# KiCad board pcb-hotswap.kicad_pcb (continued)
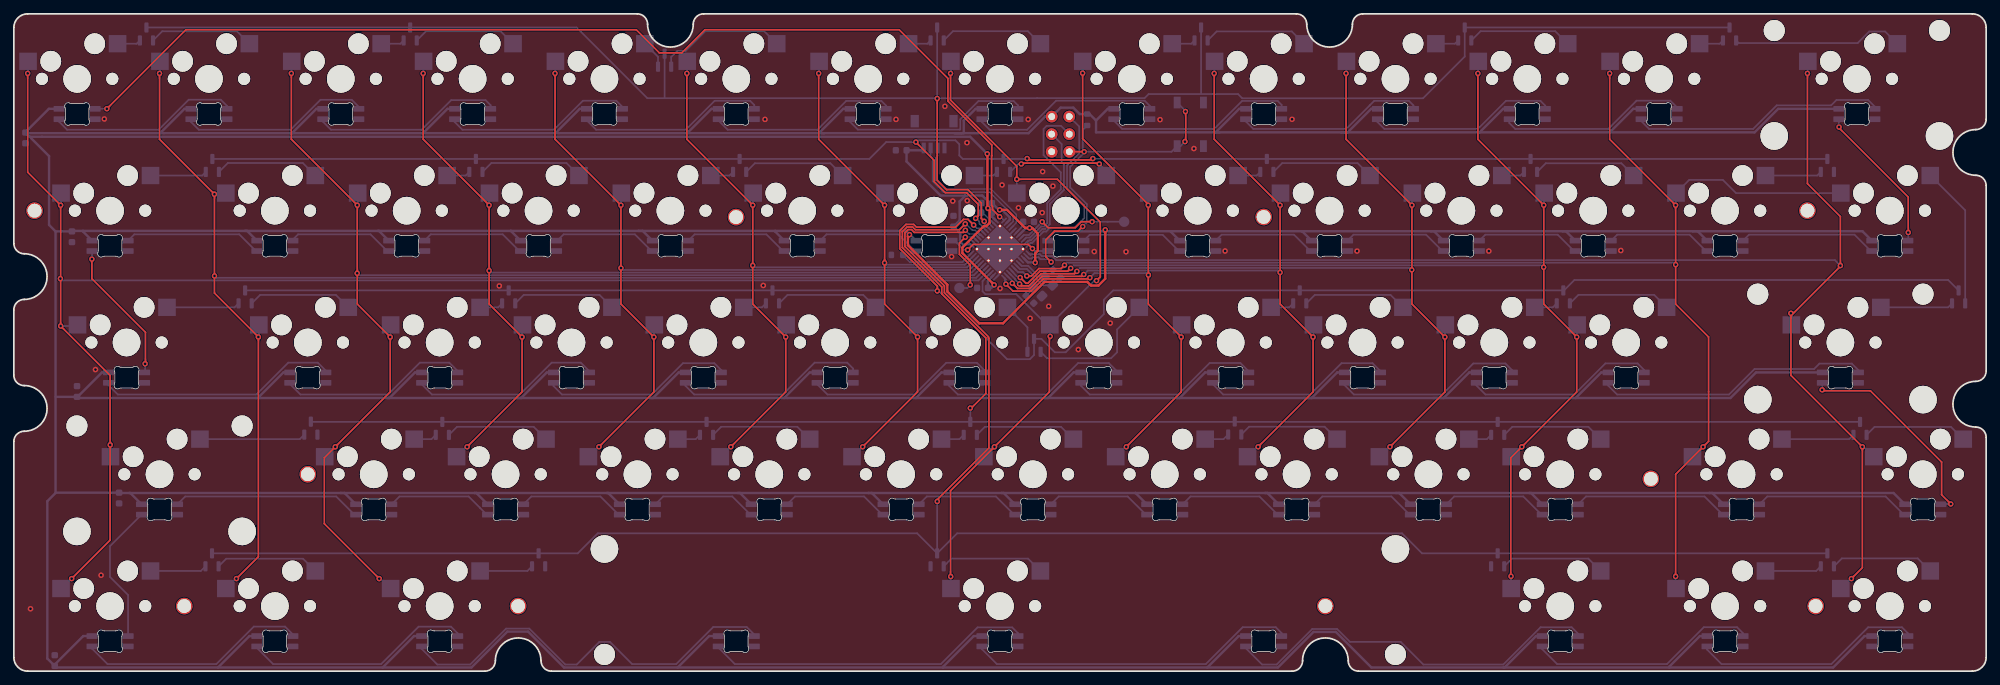
[diagram p0: board, top side]
## Routing (per net, layer and track width the routed paths; a pad name or vN(x,y) marks a point on that pad's centre or on a via; arc(x,y) is an arc through that point)
GND: length 23.9
  Bottom w0.25: 139.77,66.2 140.06,66.2 141.49,64.77 U1.43 142.49,63.82 U1.45 ; U1.45 143.91,61 U1.15 ; U1.45 139.67,61 U1.35 ; U1.45 142.32,60.82 142.32,57.28 U1.23 ; U1.45 142.49,61.7 U1.5 ; 150.22,58.19 150.14,58.19
  Bottom w0.35: C3.1 139.78,66.28 C2.1 ; 134.5,75.64 J2.4
  vias: v1(2.41,9.01) v1(11.8,43.59) v1(12.6,13.86) v1(13.08,79.81) v1(70.15,55.68) v1(108.3,55.74) v1(108.54,79.75) v1(127.47,79.75) v1(134.54,81.63) v1(135.5,59.92) v1(135.67,67.94) v1(137.73,76.37) v1(137.76,68) v1(142.51,55.31) v1(142.8,70.27) v1(145.17,66.98) v1(146.57,79.74) v1(146.85,50.99) v1(148.66,72.2) v1(148.6,66.26) v1(149.53,52.73) v1(150.15,70.1) v1(153.82,46.48) v1(156.12,60.64) v1(158.43,50.3) v1(160.71,60.62) v1(165.63,79.71) v1(170.52,75.53) v1(175.03,60.72) v1(184.7,79.76) v1(194.09,60.71) v1(213.13,60.71) v1(232.21,60.8)
VCC: length 1929.6
  Top w0.35: v1(140.66,74.77) 140.69,74.74 140.69,66.97 v1(140.75,66.91) 141,66.66 141,64.79 140.51,64.31 140.15,64.31 137.06,61.22 137.06,60.42 v1(141.66,55.83) ; v1(147.59,59.04) 147.59,60.37 147.96,60.75 147.96,63.25 147.16,64.05 v1(146.78,64.05) 146.14,64.05 143.52,66.67 v1(142.45,66.67) ; v1(129.42,63.09) 129.19,62.87 129.19,61.55 134.89,55.86 134.89,54.87 139.49,50.27 142.94,50.27 148.92,56.26 155.11,56.26 155.63,55.73 156.73,55.73 157.71,56.71 v1(157.71,63.78)
  Bottom w0.35: D48.1 143.03,25.75 142.74,25.75 ; 134.28,0.53 134.28,0.64 138.71,5.07 D59.1 ; 134.28,0.53 95.93,0.53 ; 134.28,0.53 172.45,0.53 ; 33.4,63.63 10,63.63 ; 33.4,63.63 52.61,63.63 ; 33.4,63.63 33.71,63.63 D16.1 ; 10,63.63 8.47,63.63 C12.1 6.03,63.56 ; 10,63.63 10,63.53 D15.1 ; 92.08,39.48 92.38,39.48 96.07,43.17 D33.1 ; 92.08,39.48 54.04,39.48 ; 92.08,39.48 111.31,39.48 ; D41.1 251.74,43.17 248.05,39.48 225.69,39.48 ; 95.93,0.53 79.5,0.53 74.31,5.72 71.31,5.72 66.12,0.53 53.29,0.53 ; 95.93,0.53 100.47,5.07 D58.1 ; 180.81,25.75 181.13,25.75 D50.1 ; 180.81,25.75 162.04,25.75 ; 180.81,25.75 199.71,25.75 ; D31.1 57.97,43.17 54.28,39.48 54.04,39.48 ; 111.31,39.48 130.35,39.48 ; 111.31,39.48 115,43.17 D34.1 ; D54.1 271.62,25.75 244.98,25.75 ; 162.04,25.75 142.74,25.75 ; 162.04,25.75 162.08,25.75 D49.1 ; 142.74,25.75 123.48,25.75 ; 141.32,66.91 141.32,67.65 C2.2 142.4,66.59 ; 141.32,66.91 141.32,65.7 U1.44 ; 141.32,66.91 v1(140.75,66.91) 140.75,67.92 139.93,68.74 137.51,68.74 ; D7.1 119.85,81.27 116.33,77.75 117.06,77.75 ; 90.26,63.63 90.86,63.63 D19.1 ; 90.26,63.63 71.83,63.63 ; 90.26,63.63 110.01,63.63 ; 136.96,77.75 135.93,77.75 146.62,77.75 149.02,80.15 J1.2 151.26,81.44 153.1,81.44 154.02,80.52 R3.2 155.44,80.52 156.38,79.58 ; 136.96,77.75 137.26,77.75 137.26,79.55 138.98,81.27 D8.1 ; 136.96,77.75 117.06,77.75 ; U1.14 146.54,59.07 147.55,59.07 v1(147.59,59.04) ; 128.96,63.63 128.96,63.55 v1(129.42,63.09) ; 128.96,63.63 110.01,63.63 ; 128.96,63.63 D21.1 ; D39.1 210.3,43.17 206.61,39.48 205.12,39.48 ; 142.4,66.59 142.4,66.63 v1(142.45,66.67) ; 142.4,66.59 142.91,66.59 143.9,65.6 143.9,65.24 U1.2 ; 149.01,39.48 149.45,39.48 153.14,43.17 D36.1 ; 149.01,39.48 168.07,39.48 ; 149.01,39.48 130.35,39.48 ; v1(146.78,64.05) 146.26,64.05 U1.7 ; D11.1 196.14,81.27 192.74,77.87 191.81,77.87 ; D22.1 149.42,62.61 150.37,63.56 157.49,63.56 v1(157.71,63.78) 157.92,63.58 167.19,63.58 ; 82.74,81.27 81.77,81.27 78.25,77.75 ; D52.1 219.23,25.75 218.99,25.75 ; v1(140.66,74.77) 138.19,77.24 2.28,77.24 ; U1.24 140.75,56.43 C5.2 141.21,55.38 v1(141.66,55.83) ; 52.61,63.63 52.76,63.63 D17.1 ; 52.61,63.63 71.83,63.63 ; 167.19,63.58 167.19,63.5 D23.1 ; 167.19,63.58 186.06,63.58 ; 35,39.48 54.04,39.48 ; 35,39.48 35.26,39.48 38.95,43.17 D30.1 ; 35,39.48 9.04,39.48 ; D53.1 245.42,25.75 244.98,25.75 ; 9.04,39.48 12.73,43.17 D29.1 ; 9.04,39.48 9.13,39.57 C13.1 6.04,39.65 ; 168.07,39.48 168.45,39.48 172.14,43.17 D37.1 ; 168.07,39.48 186.42,39.48 ; 97.39,77.75 117.06,77.75 ; 97.39,77.75 97.39,77.84 100.82,81.27 D6.1 ; 97.39,77.75 58.99,77.75 ; 1.54,77.75 40,77.75 ; 1.54,77.75 5.06,81.27 D1.1 ; 1.54,77.75 1.58,77.75 C11.1 ; 29.5,0.53 34.04,5.07 D56.1 ; 29.5,0.53 53.29,0.53 ; 29.5,0.53 6.22,0.53 5.99,0.75 C10.1 ; 174.19,77.87 191.81,77.87 ; 174.19,77.87 173.66,77.87 177.06,81.27 D10.1 ; 174.19,77.87 156.38,77.87 156.38,79.58 ; 191.81,77.87 211.8,77.87 ; 186.06,63.58 204.77,63.58 ; 186.06,63.58 186.16,63.58 D24.1 ; 204.77,63.58 205.21,63.58 D25.1 ; 204.77,63.58 223.79,63.58 ; D40.1 229.38,43.17 225.69,39.48 ; 53.29,0.53 57.83,5.07 D57.1 ; 137.51,68.74 133.92,68.74 128.99,73.66 C1.2 131.14,75.28 J2.1 ; 137.51,68.74 136.66,67.9 136.66,65.14 C4.2 136.74,63.3 136.74,62.05 137.13,61.66 138.29,61.66 U1.34 ; 47.22,25.75 47.78,25.75 D43.1 ; 47.22,25.75 16.69,25.75 ; 47.22,25.75 66.58,25.75 ; 71.83,63.63 71.83,63.61 D18.1 ; 172.45,0.53 176.99,5.07 D60.1 ; 172.45,0.53 182.66,0.53 187.8,5.67 191.03,5.67 196.17,0.53 215.26,0.53 ; 230.61,77.87 234.01,81.27 D13.1 ; 230.61,77.87 251.54,77.87 254.94,81.27 D14.1 ; 230.61,77.87 211.8,77.87 ; 215.26,0.53 239.22,0.53 ; 215.26,0.53 215.41,0.53 219.95,5.07 D61.1 ; 239.22,0.53 239.22,0.66 243.63,5.07 D62.1 ; 239.22,0.53 262.89,0.53 267.43,5.07 D63.1 ; 242.61,63.58 243.31,63.58 D27.1 ; 242.61,63.58 223.79,63.58 ; 242.61,63.58 267.12,63.58 D28.1 ; D20.1 110.01,63.53 110.01,63.63 ; 130.35,39.48 134.04,43.17 D35.1 ; 218.99,25.75 199.71,25.75 ; 218.99,25.75 244.98,25.75 ; 223.79,63.58 224.26,63.58 D26.1 ; D44.1 66.83,25.75 66.58,25.75 ; 211.8,77.87 215.2,81.27 216.09,81.27 ; D4.1 62.65,81.27 59.13,77.75 58.99,77.75 ; D42.1 16.82,25.75 16.69,25.75 ; 123.48,25.75 123.98,25.75 D47.1 ; 123.48,25.75 104.64,25.75 ; D38.1 191.22,43.17 187.53,39.48 186.42,39.48 ; 2.28,77.24 C11.1 ; 2.28,77.24 5.09,74.43 5.09,64.49 6.03,63.56 ; C11.1 1.68,77.78 ; D51.1 200.18,25.75 199.71,25.75 ; 66.58,25.75 85.71,25.75 ; C10.1 5.7,0.75 10.02,5.07 D55.1 ; C10.1 4.83,1.83 4.83,24.56 6.03,25.75 6.03,63.56 ; 16.69,25.75 15.25,25.75 C9.1 6.07,25.8 ; 156.38,79.58 158.07,81.27 D9.1 ; 225.69,39.48 186.42,39.48 ; 58.99,77.75 40,77.75 ; 40,77.75 40.19,77.75 43.71,81.27 44.64,81.27 ; 104.64,25.75 104.93,25.75 D46.1 ; 104.64,25.75 85.71,25.75 ; D45.1 85.88,25.75 85.71,25.75 ; D32.1 77.01,43.17 73.32,39.48 72.42,39.48 ; D2.1 24.66,81.27 21.14,77.75
/D+: length 20.7
  Bottom w0.2: U1.4 144.15,64.1 144.86,64.81 144.86,66.01 141.18,69.68 134.49,69.68 133.2,70.97 133.2,74.18 133.48,74.45 J2.3
/D-: length 20.3
  Bottom w0.2: U1.3 143.83,64.42 144.41,65 144.41,65.82 140.99,69.23 134.3,69.23 132.75,70.78 132.75,74.18 132.48,74.45 J2.2
/MISO: length 26.7
  Bottom w0.25: U1.11 146.94,61.91 147.16,61.91 148.79,63.54 149.18,63.54 149.73,64.09 153.29,64.09 154.68,65.48 154.68,67.33 152.19,69.82 152.19,73.09 153.94,74.84 153.94,78.72 J1.1
/MOSI: length 19
  Bottom w0.25: 146.35,61.96 146.45,61.96 146.78,62.28 147,62.28 148.63,63.92 149.02,63.92 149.7,64.59 149.7,67.51 151.74,69.55 151.74,73.24 151.41,73.57 151.41,76.17 J1.4
/RGB: length 157.6
  Top w0.25: v1(142.45,65.67) 141.43,66.69 141.43,67.15 141.29,67.29 141.29,74.48 141.31,74.5 141.31,76.05 134.97,82.38 134.97,85.66 127.93,92.7 99.86,92.7 96.52,89.36 93.28,89.36 89.94,92.7 24.85,92.7 v1(13.44,81.28)
  Bottom w0.25: v1(13.44,81.28) 11.75,81.28 D1.4 ; U1.1 142.54,65.67 v1(142.45,65.67)
/SCK: length 24.3
  Bottom w0.25: U1.9 146.28,62.66 146.84,62.66 148.48,64.29 148.86,64.29 149.32,64.75 149.32,67.66 151.29,69.63 151.29,72.09 148.79,74.58 148.79,78.37 149.24,78.81 151.31,78.81 J1.3
/XTAL1: length 8.3
  Bottom w0.25: U1.16 145.62,58.58 146.58,58.58 147.8,57.35 147.8,56.64 148.67,55.77 Y1.1 151.24,56.88 C6.2
/XTAL2: length 6.4
  Bottom w0.25: U1.17 145.36,58.13 146.39,58.13 147.35,57.16 147.35,55.43 Y1.3 147.36,55.36 C7.2
C0: length 225
  Top w0.25: v1(2,86.4) 2,72.11 v1(6.76,67.35) v1(6.76,49.88) 13.91,42.74 13.91,32.72 v1(13.92,32.7) 13.91,32.69 13.91,18.93 v1(8.35,13.37)
  Bottom w0.25: v1(6.76,67.35) 6.82,67.41 MX15.1 ; v1(6.76,49.88) 9.04,49.88 MX29.1 ; v1(2,86.4) 2.06,86.45 MX1.1 ; MX55.1 8.25,13.37 v1(8.35,13.37) ; MX42.1 13.92,31.04 v1(13.92,32.7) ; v1(6.73,56.73) 6.99,56.47 139.38,56.47 U1.26
C1: length 199.8
  Top w0.25: v1(32.16,13.37) 35.34,16.55 v1(35.34,48.3) 28.99,54.65 v1(28.99,68.93) 21.05,76.87 v1(21.05,86.4)
  Bottom w0.25: v1(35.34,48.3) 35.4,48.36 MX30.1 ; v1(29,57.12) 29.27,56.85 139.05,56.85 U1.27 ; v1(21.05,86.4) 21.11,86.45 MX2.1 ; MX56.1 32.06,13.37 v1(32.16,13.37) ; MX16.1 30.47,68.93 v1(28.99,68.93)
C2: length 187.4
  Top w0.25: v1(49.61,57.5) 49.62,57.51 49.62,57.82 ; v1(52.8,13.37) 44.86,21.31 44.86,30.83 v1(46.45,32.42) 54.39,40.36 v1(54.39,48.3) 49.62,53.06 49.62,57.82 ; 49.62,57.82 v1(49.62,67.35) 40.1,76.87 v1(40.1,86.4)
  Bottom w0.25: MX31.1 54.39,49.98 v1(54.39,48.3) ; MX3.1 40.16,86.45 v1(40.1,86.4) ; MX43.1 45.02,30.99 v1(46.45,32.42) ; v1(52.8,13.37) 53.02,13.37 MX57.1 ; MX17.1 49.68,67.41 v1(49.62,67.35) ; v1(49.61,57.5) 49.89,57.23 138.72,57.23 U1.28
C3: length 142.5
  Top w0.25: 68.67,57.82 68.67,57.88 v1(68.68,57.88) ; 68.67,57.82 68.67,53.06 v1(73.44,48.3) 73.44,40.36 v1(65.5,32.42) ; 68.67,57.82 v1(68.67,67.35) 59.15,76.87 v1(59.15,86.4)
  Bottom w0.25: v1(68.67,67.35) 68.67,69.03 MX18.1 ; MX32.1 73.44,49.98 v1(73.44,48.3) ; v1(68.68,57.88) 68.95,57.6 138.4,57.6 U1.29 ; v1(65.5,32.42) 65.4,32.42 MX44.1 ; v1(59.15,86.4) 59.21,86.45 MX4.1
C4: length 123.4
  Top w0.25: v1(87.73,58.26) 87.72,58.25 87.72,57.82 ; 87.72,57.82 v1(87.72,67.35) 78.2,76.87 v1(78.2,86.4) ; 87.72,57.82 87.72,53.06 v1(92.49,48.3) 92.49,40.36 v1(84.55,32.42)
  Bottom w0.25: U1.30 138.07,57.98 88,57.98 v1(87.73,58.26) ; MX5.1 78.26,86.45 v1(78.2,86.4) ; MX45.1 84.45,32.42 v1(84.55,32.42) ; v1(92.49,48.3) 92.49,49.98 MX33.1 ; MX19.1 87.72,69.03 v1(87.72,67.35)
C5: length 103.6
  Top w0.25: v1(106.77,58.63) 106.77,58.63 106.77,58.62 ; 106.77,58.62 106.77,53.06 v1(111.54,48.3) 111.54,40.36 v1(103.6,32.42) ; 106.77,58.62 v1(106.77,67.35) 97.25,76.87 v1(97.25,86.4)
  Bottom w0.25: v1(106.77,67.35) 106.77,69.03 MX20.1 ; MX46.1 103.5,32.42 v1(103.6,32.42) ; U1.31 137.74,58.36 107.05,58.36 v1(106.77,58.63) ; v1(111.54,48.3) 111.54,49.98 MX34.1 ; v1(97.25,86.4) 97.31,86.45 MX6.1
C6: length 84.6
  Top w0.25: 125.82,59.41 v1(125.82,67.35) 116.3,76.87 v1(116.3,86.4) ; 125.82,59.41 125.82,59.4 v1(125.82,59.01) ; 125.82,59.41 125.82,53.06 v1(130.59,48.3) 130.59,40.36 v1(122.65,32.42)
  Bottom w0.25: U1.32 137.41,58.74 126.09,58.74 v1(125.82,59.01) ; v1(125.82,67.35) 125.88,67.41 MX21.1 ; MX35.1 130.59,49.98 v1(130.59,48.3) ; MX47.1 122.55,32.42 v1(122.65,32.42) ; v1(116.3,86.4) 116.36,86.45 MX7.1
C7: length 116.9
  Top w0.25: v1(135.38,13.67) 135.35,13.7 135.35,26.07 v1(141.7,32.42) 149.64,40.36 149.64,48.28 v1(149.75,48.39) ; v1(135.35,86.4) 135.35,82.54 144.92,72.97 v1(144.92,71.09) 150.8,71.09 156.99,64.9 156.99,56.98 v1(156.44,56.44)
  Bottom w0.25: v1(156.44,56.44) 156.09,56.44 MX36.1 ; MX48.1 141.6,32.42 v1(141.7,32.42) ; v1(135.38,13.67) 135.38,11.97 MX58.1 ; U1.25 139.98,56.36 139.98,54.9 140.39,54.49 144.84,54.49 149.29,50.04 MX36.1 ; MX36.1 149.75,49.99 v1(149.75,48.39) ; MX8.1 135.41,86.45 v1(135.35,86.4) ; v1(144.92,71.09) 144.93,71.08 MX22.1
C8: length 94
  Top w0.25: v1(155.49,56.87) 155.3,56.68 148.74,56.68 146.99,54.93 144.36,54.93 v1(143.35,55.94) ; 163.92,57.03 163.92,57.22 v1(163.95,57.25) ; 163.92,57.03 163.92,53.06 v1(168.69,48.3) 168.69,40.36 v1(160.75,32.42) ; 163.92,57.03 v1(163.92,67.35) 163.92,67.46 154.44,76.95 v1(154.44,86.43)
  Bottom w0.25: v1(143.35,55.94) 143.22,56.07 143.22,56.74 U1.22 ; MX37.1 168.69,49.98 v1(168.69,48.3) ; v1(163.95,57.25) 163.67,57.52 156.14,57.52 v1(155.49,56.87) ; v1(154.44,86.43) 154.46,86.45 MX9.1 ; v1(163.92,67.35) 163.92,69.03 MX23.1 ; v1(160.75,32.42) 160.65,32.42 MX49.1
C9: length 112.3
  Top w0.25: v1(173.45,86.4) 173.45,76.87 v1(182.97,67.35) 182.97,53.06 v1(187.74,48.3) 187.74,40.36 v1(179.8,32.42) ; v1(144.27,56.07) 145.03,55.31 146.84,55.31 148.59,57.06 154.33,57.06 v1(154.61,57.34)
  Bottom w0.25: v1(179.8,32.42) 179.7,32.42 MX50.1 ; U1.21 144.27,56.39 v1(144.27,56.07) ; v1(173.45,86.4) 173.51,86.45 MX10.1 ; v1(187.74,48.3) 187.8,48.36 MX38.1 ; v1(182.97,67.35) 182.97,69.03 MX24.1 ; v1(182.97,57.62) 182.7,57.9 155.18,57.9 154.62,57.34 v1(154.61,57.34)
C10: length 130.9
  Top w0.25: v1(145.32,55.96) 145.6,55.69 146.68,55.69 148.43,57.44 153.26,57.44 v1(153.61,57.79) ; v1(192.5,86.4) 192.5,76.87 v1(202.02,67.35) 202.02,53.06 v1(206.79,48.3) 206.79,40.36 v1(198.85,32.42)
  Bottom w0.25: v1(202.02,67.35) 202.02,69.03 MX25.1 ; MX51.1 198.75,32.42 v1(198.85,32.42) ; v1(206.79,48.3) 206.79,49.98 MX39.1 ; v1(153.61,57.79) 153.61,57.82 154.06,58.28 201.73,58.28 v1(202,58) ; v1(192.5,86.4) 192.56,86.45 MX11.1 ; U1.20 144.67,56.7 144.67,56.62 v1(145.32,55.96)
C11: length 170.6
  Top w0.25: v1(211.55,86.4) 211.55,76.87 v1(221.07,67.35) 221.07,53.06 v1(225.84,48.3) 225.84,40.36 v1(217.9,32.42) 216.31,30.83 216.31,13.74 v1(216.34,13.71) ; v1(152.71,58.23) 152.29,57.82 148.28,57.82 146.52,56.06 146.24,56.06 v1(145.41,56.89)
  Bottom w0.25: MX40.1 225.84,49.98 v1(225.84,48.3) ; 144.13,57.87 144.93,57.08 145.23,57.08 v1(145.41,56.89) ; MX26.1 221.07,69.03 v1(221.07,67.35) ; MX59.1 216.34,11.97 v1(216.34,13.71) ; v1(211.55,86.4) 211.61,86.45 MX12.1 ; v1(217.9,32.42) 217.8,32.42 MX52.1 ; v1(152.71,58.23) 153.13,58.65 220.78,58.65 v1(221.06,58.38)
C12: length 210.5
  Top w0.25: v1(240.13,13.68) 240.12,13.68 240.12,28.45 v1(244.09,32.42) 244.89,33.22 244.89,48.3 240.12,53.06 v1(240.12,67.35) 230.6,76.87 v1(230.6,86.4) ; v1(151.82,58.68) 151.33,58.19 148.12,58.19 147.05,57.12 v1(146.37,57.12)
  Bottom w0.25: v1(146.37,57.12) 145.81,57.68 145.11,57.68 U1.18 ; v1(240.13,58.76) 239.86,59.03 152.17,59.03 v1(151.82,58.68) ; MX13.1 230.66,86.45 v1(230.6,86.4) ; v1(244.09,32.42) 243.99,32.42 MX53.1 ; v1(240.13,13.68) 240.13,12 240.18,11.94 ; 263.94,69.03 MX28.1 248.85,69.09 246.95,70.99 242.09,70.99 240.12,69.03 v1(240.12,67.35)
C13: length 208.9
  Top w0.25: v1(259.17,86.4) 259.17,70.46 263.94,65.7 v1(263.94,58.62) ; v1(265.52,13.37) 267.11,14.96 v1(267.11,32.42) 256.79,42.74 256.79,51.71 v1(256.78,51.72) 257.15,51.72 263.94,58.52
  Bottom w0.25: MX54.1 267.33,32.42 v1(267.11,32.42) ; v1(263.94,58.62) 263.14,59.41 150.63,59.41 150.05,59.99 148.53,59.99 148.25,60.27 146.75,60.27 U1.12 ; v1(256.78,51.72) 256.85,51.65 MX41.1 ; MX14.1 259.23,86.45 v1(259.17,86.4) ; MX61.1 265.42,13.37 v1(265.52,13.37)
R0: length 290
  Top w0.25: v1(133.42,82.77) 133.42,82.76 133.42,70.95 134.78,69.59 137.87,69.59 139.8,67.66 139.8,65.43 v1(140.22,65.01)
  Bottom w0.25: D68.3 171.56,83.49 ; D70.3 D69.3 209.65,88.82 203.63,82.8 177.5,82.8 176.9,83.4 163.98,83.4 163.39,82.82 147.86,82.82 147.85,82.81 91.54,82.81 81.32,93.03 D65.3 D64.3 ; v1(133.42,82.77) 133.42,82.77 D67.3 ; U1.41 140.22,64.68 v1(140.22,65.01) ; D66.3 94.03,82.82
R1: length 255.9
  Top w0.25: v1(146.42,74.09) 146.61,73.9 155.72,73.9 v1(155.92,74.09) ; v1(138.98,65.44) 139.35,65.81 139.35,67.48 137.69,69.14 134.6,69.14 132.97,70.77 132.97,73.83 v1(130.34,76.46)
  Bottom w0.25: v1(146.42,74.09) 146.36,74.03 D74.3 137.12,74.03 136.62,74.53 136.62,76.15 136.06,76.71 130.59,76.71 v1(130.34,76.46) 126.05,76.46 123.62,74.03 104.88,74.03 ; D73.3 D71.3 ; D77.3 155.98,74.03 v1(155.92,74.09) ; U1.40 139.5,64.7 139.5,65.01 139.07,65.44 v1(138.98,65.44)
R2: length 286.2
  Top w0.25: v1(133.44,54.95) 133.44,55.64 128.01,61.07 128.01,63.67 128.91,64.57 130.03,64.57 130.43,64.17 136.08,64.17 137.21,65.3 137.87,65.3 v1(138.69,64.48)
  Bottom w0.25: D78.3 D80.3 133.35,55.03 v1(133.44,54.95) 133.66,54.95 143.52,45.09 146.82,45.09 147.42,45.69 D81.3 148.48,48.03 150.42,46.09 151.99,46.09 157.5,51.61 157.5,53.68 158.86,55.03 D82.3 224,55.03 225.51,56.54 279.51,56.54 D84.3 ; U1.39 139.48,64.01 139.16,64.01 v1(138.69,64.48)
R3: length 270.2
  Top w0.25: v1(137.48,64.65) 136.63,63.79 130.27,63.79 129.88,64.19 129.06,64.19 128.39,63.52 128.39,61.22 134.09,55.52 134.09,54.53 140.45,48.17 140.45,40.12 138.35,38.02 v1(138.2,38.02)
  Bottom w0.25: U1.38 139.63,63 138.9,63.73 138.5,63.73 137.58,64.65 v1(137.48,64.65) ; D91.3 42.95,36.03 D85.3 ; v1(138.2,38.02) 138.21,38.01 D88.3
R4: length 304.3
  Top w0.25: v1(137.5,63.71) 137.2,63.42 130.12,63.42 129.72,63.81 129.22,63.81 128.77,63.36 128.77,61.38 134.47,55.68 134.47,54.69 140.83,48.33 140.83,48.17 140.9,48.09 140.9,32.26 133.42,24.78 133.42,24.54 v1(133.43,24.53)
  Bottom w0.25: D94.3 136.31,19.92 200.59,19.92 203.48,17.03 D95.3 D96.3 ; D94.3 133.42,24.51 v1(133.43,24.53) ; D94.3 130.52,19.92 84.38,19.92 81.48,17.03 D93.3 D92.3 ; v1(137.5,63.71) 138.03,63.18 138.89,63.18 U1.37
RST: length 54.3
  Top w0.25: v1(154.67,75.07) J1.5 ; v1(149.89,59.13) 149.1,59.92 149.1,62.31 150.38,63.59 153.78,63.59 v1(154.45,64.26) ; v1(169.23,76.53) 169.34,76.64 169.34,80.85 v1(169.3,80.89)
  Bottom w0.25: v1(149.89,59.13) 149.48,59.54 148.34,59.54 148.06,59.82 147.26,59.82 147.07,59.64 146.68,59.64 U1.13 ; v1(154.67,75.07) 154.47,75.27 154.47,78.25 155.09,78.87 ; v1(154.67,75.07) 167.29,75.07 168.05,75.83 ; v1(154.67,75.07) 154.67,74.93 152.64,72.9 152.64,69.9 155.06,67.49 155.06,64.87 v1(154.45,64.26) ; SW1.2 168.58,75.88 v1(169.23,76.53) ; SW1.2 169.3,80.98 v1(169.3,80.89)
Net-(D1-DOUT): length 27.7
  Bottom w0.25: D1.2 6.54,79.4 7.7,78.25 20.93,78.25 25.27,82.59 29.9,82.59 30.79,81.7 D2.4
Net-(D2-DOUT): length 27.6
  Bottom w0.25: D2.2 25.59,79.38 26.73,78.25 39.98,78.25 44.31,82.58 48.82,82.58 49.84,81.56 D3.4
Net-(D3-DOUT): length 27.7
  Bottom w0.25: 44.64,79.77 44.64,79.43 45.83,78.25 58.92,78.25 63.2,82.53 68.16,82.53 68.89,81.8 D4.4
Net-(D4-DOUT): length 27.5
  Bottom w0.25: D4.2 63.69,79.37 64.82,78.25 78.04,78.25 82.23,82.44 87.06,82.44 87.94,81.56 D5.4
Net-(D5-DOUT): length 27.5
  Bottom w0.25: 82.74,79.77 82.74,79.64 84.14,78.25 97.09,78.25 101.27,82.43 106.39,82.43 106.99,81.83 D6.4
Net-(D6-DOUT): length 27.5
  Bottom w0.25: D6.2 101.79,79.6 103.15,78.25 116.12,78.25 120.28,82.41 125.36,82.41 126.06,81.71 126.04,81.7 D7.4
Net-(D7-DOUT): length 28.4
  Bottom w0.25: D7.2 120.84,79.38 121.96,78.27 136.7,78.27 136.76,78.32 136.76,79.76 139.39,82.39 144.48,82.39 145.09,81.78 145.09,81.27
Net-(D8-DOUT): length 27.6
  Bottom w0.25: D8.2 139.89,79.36 141.01,78.25 146.41,78.25 150.6,82.44 163.41,82.44 164.14,81.7 D9.4
Net-(D10-DIN): length 27.4
  Bottom w0.25: D9.2 158.94,79.57 160.15,78.37 173.45,78.37 177.49,82.41 182.63,82.41 183.19,81.84 183.19,81.27
Net-(D10-DOUT): length 27.5
  Bottom w0.25: 202.24,81.27 202.24,81.77 201.59,82.42 196.57,82.42 195.92,81.77 195.92,81.76 192.53,78.37 179.1,78.37 177.99,79.47 D10.2
Net-(D11-DOUT): length 27.5
  Bottom w0.25: D12.4 221.29,81.73 220.59,82.43 215.62,82.43 211.56,78.37 198.04,78.37 197.04,79.36 D11.2
Net-(D12-DOUT): length 27.4
  Bottom w0.25: D13.4 240.34,81.47 239.36,82.45 234.48,82.45 230.4,78.37 216.95,78.37 216.09,79.23 216.09,79.77
Net-(D13-DOUT): length 36.9
  Bottom w0.25: D14.4 268.92,81.58 267.95,82.55 263.37,82.55 262.6,81.77 254.73,81.77 251.33,78.37 236.29,78.37 235.14,79.51 D13.2
Net-(D14-DOUT): length 21.7
  Top w0.25: v1(263.74,78.64) 263.74,78.52 273.74,68.52 v1(273.74,63.39)
  Bottom w0.25: v1(273.74,63.39) 273.74,62.28 D28.4 ; D14.2 263.72,78.66 v1(263.74,78.64)
Net-(D15-DIN): length 20
  Bottom w0.25: D16.2 34.98,60.72 32.57,63.13 17.41,63.13 D15.4
Net-(D15-DOUT): length 20.8
  Top w0.25: v1(18.97,44.42) 19.02,44.47 19.02,48.98 11.28,56.72 v1(11.28,59.56)
  Bottom w0.25: D15.2 11.31,59.59 v1(11.28,59.56) ; v1(18.97,44.42) 18.97,43.25 D29.4
Net-(D16-DIN): length 15.3
  Bottom w0.25: 40.13,62.19 41.07,63.13 51.54,63.13 53.98,60.69
Net-(D17-DIN): length 15.2
  Bottom w0.25: 73.19,60.73 73.04,60.73 70.64,63.13 60.24,63.13 59.34,62.23
Net-(D18-DIN): length 15.3
  Bottom w0.25: 92.35,60.69 92.18,60.69 89.74,63.13 79.44,63.13 78.5,62.19
Net-(D19-DIN): length 15.2
  Bottom w0.25: D20.2 111.15,60.72 108.74,63.13 98.38,63.13 D19.4
Net-(D20-DIN): length 15.2
  Bottom w0.25: D21.2 130.23,60.72 127.82,63.13 117.43,63.13 D20.4
Net-(D21-DIN): length 15.1
  Top w0.25: v1(137.82,60.89) 138.61,61.68 146.58,61.68 v1(147.19,61.07)
  Bottom w0.25: v1(137.82,60.89) 137.27,60.89 135.93,62.22 D21.4 ; D22.2 147.54,60.72 v1(147.19,61.07)
Net-(D22-DIN): length 15.2
  Bottom w0.25: D23.2 168.35,60.72 166.01,63.06 155.46,63.06 D22.4
Net-(D23-DIN): length 15.2
  Bottom w0.25: D23.4 174.53,63.08 184.99,63.08 187.35,60.72 D24.2
Net-(D24-DIN): length 15.2
  Bottom w0.25: D25.2 206.43,60.72 204.07,63.08 193.58,63.08 D24.4
Net-(D25-DIN): length 15.2
  Bottom w0.25: D26.2 225.45,60.72 223.09,63.08 212.63,63.08 D25.4
Net-(D26-DIN): length 15.2
  Bottom w0.25: D27.2 244.51,60.72 242.15,63.08 231.68,63.08 D26.4
Net-(D27-DIN): length 19.9
  Bottom w0.25: D27.4 250.73,63.08 265.98,63.08 268.34,60.72 D28.2
Net-(D29-DOUT): length 34.9
  Bottom w0.25: D30.4 45.08,43.43 43.92,44.59 39.66,44.59 35.05,39.98 15.03,39.98 13.69,41.32 D29.2
Net-(D30-DOUT): length 27.7
  Bottom w0.25: D30.2 39.88,41.52 41.42,39.98 54.07,39.98 58.68,44.59 62.92,44.59 64.13,43.38 D31.4
Net-(D31-DOUT): length 27.7
  Bottom w0.25: D32.4 83.18,43.33 81.92,44.59 77.72,44.59 73.11,39.98 60.42,39.98 58.93,41.47 D31.2
Net-(D32-DOUT): length 27.8
  Bottom w0.25: D32.2 77.98,41.21 79.21,39.98 92.17,39.98 96.7,44.51 101.22,44.51 102.23,43.5 D33.4
Net-(D33-DOUT): length 28
  Bottom w0.25: D34.4 121.28,43.73 120.42,44.59 115.71,44.59 111.1,39.98 98.31,39.98 97.03,41.26 D33.2
Net-(D34-DOUT): length 27.7
  Bottom w0.25: D34.2 116.08,41.47 117.57,39.98 130.14,39.98 134.73,44.57 139.16,44.57 140.33,43.4 D35.4
Net-(D35-DOUT): length 27.8
  Bottom w0.25: D36.4 159.38,43.37 158.22,44.53 153.79,44.53 149.24,39.98 136.41,39.98 135.13,41.26 D35.2
Net-(D36-DOUT): length 27.7
  Bottom w0.25: D36.2 154.18,41.27 155.47,39.98 168.24,39.98 172.8,44.54 177.23,44.54 178.43,43.34 D37.4
Net-(D37-DOUT): length 27.6
  Bottom w0.25: D38.4 197.48,43.36 196.33,44.51 191.85,44.51 187.32,39.98 174.75,39.98 173.23,41.5 D37.2
Net-(D38-DOUT): length 27.7
  Bottom w0.25: D39.4 216.53,43.47 215.53,44.47 210.89,44.47 206.4,39.98 193.64,39.98 192.28,41.34 D38.2
Net-(D39-DOUT): length 27.8
  Bottom w0.25: D39.2 211.33,41.3 212.65,39.98 225.48,39.98 229.98,44.48 234.63,44.48 235.58,43.53 D40.4
Net-(D40-DOUT): length 39.7
  Bottom w0.25: D41.4 266.54,43.5 265.59,44.45 260.91,44.45 260.13,43.67 251.53,43.67 247.84,39.98 231.68,39.98 230.38,41.28 D40.2
Net-(D41-DOUT): length 30.7
  Top w0.25: v1(279.89,24.16) 278.56,25.49 278.56,30.23 268.27,40.52 261.43,40.52 v1(261.29,40.66)
  Bottom w0.25: v1(279.89,24.16) 278.48,24.16 278.44,24.12 ; D41.2 261.29,41.62 v1(261.29,40.66)
Net-(D42-DIN): length 27.3
  Bottom w0.25: D43.2 49.21,22.62 46.58,25.25 24.78,25.25 D42.4
Net-(D42-DOUT): length 20.5
  Bottom w0.25: D55.4 16.51,11 13.89,13.62 13.89,18.06 D42.2
Net-(D43-DIN): length 15.4
  Bottom w0.25: D43.4 55.73,25.25 65.72,25.25 67.33,23.64 67.33,23.62 68.33,22.62 D44.2
Net-(D44-DIN): length 15.4
  Bottom w0.25: D45.2 87.38,22.62 84.76,25.25 74.78,25.25 D44.4
Net-(D45-DIN): length 15.4
  Bottom w0.25: D45.4 93.83,25.25 103.81,25.25 106.43,22.62 D46.2
Net-(D46-DIN): length 15.4
  Bottom w0.25: D47.2 125.48,22.62 122.86,25.25 112.88,25.25 D46.4
Net-(D47-DIN): length 15.4
  Bottom w0.25: D47.4 131.93,25.25 141.91,25.25 144.53,22.62 D48.2
Net-(D48-DIN): length 15.4
  Bottom w0.25: D49.2 163.58,22.62 160.95,25.25 150.98,25.25 D48.4
Net-(D49-DIN): length 15.4
  Bottom w0.25: D49.4 170.03,25.25 179.99,25.25 182.62,22.62 D50.2
Net-(D50-DIN): length 15.4
  Bottom w0.25: D51.2 201.68,22.62 199.06,25.25 189.08,25.25 D50.4
Net-(D51-DIN): length 15.4
  Bottom w0.25: D52.2 220.73,22.62 218.11,25.25 208.13,25.25 D51.4
Net-(D52-DIN): length 22.5
  Bottom w0.25: D52.4 227.18,25.25 244.3,25.25 246.93,22.62 D53.2
Net-(D53-DIN): length 22.5
  Bottom w0.25: D53.4 253.38,25.25 270.47,25.25 273.1,22.62 D54.2
Net-(D55-DOUT): length 33.2
  Bottom w0.25: D55.2 11.31,3.25 13.53,1.03 29.26,1.03 34.67,6.44 39.19,6.44 40.32,5.31 D56.4
Net-(D56-DOUT): length 33.2
  Bottom w0.25: D57.4 64.13,5.47 63.17,6.43 58.48,6.43 53.08,1.03 37.46,1.03 35.12,3.37 D56.2
Net-(D57-DOUT): length 59.2
  Bottom w0.25: D57.2 58.93,3.22 61.19,0.96 65.94,0.96 71.13,6.15 74.49,6.15 79.68,0.96 81.33,0.96 84.6,4.22 86.15,4.22 89.34,1.03 95.72,1.03 101.07,6.38 105.9,6.38 106.99,5.28 D58.4
Net-(D58-DOUT): length 47.4
  Bottom w0.25: 145.09,5.07 145.09,5.5 144.26,6.33 139.26,6.33 133.96,1.03 104.18,1.03 101.79,3.41 D58.2
Net-(D59-DOUT): length 47.6
  Bottom w0.25: D59.2 139.89,3.17 142.04,1.03 172.24,1.03 177.56,6.35 182.35,6.35 183.19,5.5 183.19,5.07
Net-(D60-DOUT): length 56.5
  Bottom w0.25: D61.4 226.06,5.39 225.11,6.34 220.6,6.34 215.22,0.96 203.67,0.96 200.39,4.24 193.07,4.24 191.21,6.1 187.62,6.1 182.48,0.96 180.38,0.96 177.99,3.34 D60.2
Net-(D61-DOUT): length 33.3
  Bottom w0.25: D61.2 220.86,3.17 223,1.03 238.88,1.03 244.2,6.35 249,6.35 249.87,5.48 D62.4
Net-(D62-DOUT): length 33.3
  Bottom w0.25: D62.2 244.67,3.12 246.76,1.03 262.64,1.03 267.95,6.34 272.83,6.34 273.68,5.49 D63.4
Net-(D64-A1): length 15.2
  Bottom w0.25: MX2.2 32.23,92.48 21.45,92.48 D64.1
Net-(D64-A2): length 3.4
  Bottom w0.25: MX1.2 17.74,90.68 D64.2
Net-(D65-A1): length 15.2
  Bottom w0.25: D65.1 59.56,92.49 70.33,92.49 MX4.2
Net-(D65-A2): length 3.4
  Bottom w0.25: D65.2 55.85,90.68 MX3.2
Net-(D66-A1): length 19
  Bottom w0.25: D66.1 94.98,88.76 95.87,89.65 97.06,89.65 99.92,92.5 108.42,92.5 MX6.2
Net-(D66-A2): length 4.1
  Bottom w0.25: MX5.2 93.08,88.78 93.08,87.36
Net-(D67-A1): length 15.3
  Bottom w0.25: D67.1 135.71,92.49 146.53,92.49 MX8.2
Net-(D67-A2): length 3.4
  Bottom w0.25: MX7.2 132,90.68 D67.2
Net-(D68-A1): length 15.2
  Bottom w0.25: MX10.2 184.66,92.46 173.81,92.46 D68.1
Net-(D68-A2): length 3.4
  Bottom w0.25: MX9.2 170.14,90.68 D68.2
Net-(D69-A1): length 15.2
  Bottom w0.25: MX12.2 222.73,92.49 211.94,92.49 D69.1
Net-(D69-A2): length 3.4
  Bottom w0.25: D69.2 208.23,90.68 MX11.2
Net-(D70-A1): length 24.9
  Bottom w0.25: D70.1 249.25,90.78 266.43,90.78 268.11,92.45 270.39,92.45 MX14.2
Net-(D70-A2): length 3.6
  Bottom w0.25: D70.2 246.5,90.68 MX13.2
Net-(D71-A1): length 15.2
  Bottom w0.25: MX16.2 41.75,73.44 30.92,73.44 D71.1
Net-(D71-A2): length 8.2
  Bottom w0.25: D71.2 27.21,71.63 MX15.2
Net-(D72-A1): length 15.2
  Bottom w0.25: D72.1 69.01,73.44 79.85,73.44 MX18.2
Net-(D72-A2): length 3.4
  Bottom w0.25: D72.2 65.3,71.63 MX17.2
Net-(D73-A1): length 15.2
  Bottom w0.25: MX20.2 117.99,73.41 107.08,73.41 D73.1
Net-(D73-A2): length 3.4
  Bottom w0.25: D73.2 103.41,71.63 MX19.2
Net-(D74-A1): length 15.5
  Top w0.25: v1(145.57,73.3) 145.69,73.42 156.73,73.42 v1(156.85,73.3)
  Bottom w0.25: D74.1 143.98,72.15 145.13,73.3 v1(145.57,73.3) ; MX22.2 157.86,72.29 v1(156.85,73.3)
Net-(D74-A2): length 3.5
  Bottom w0.25: MX21.2 141.54,71.63 D74.2
Net-(D75-A1): length 15.2
  Bottom w0.25: MX24.2 194.17,73.43 183.29,73.43 D75.1
Net-(D75-A2): length 3.4
  Bottom w0.25: MX23.2 179.59,71.63 180.11,72.15
Net-(D76-A1): length 15.2
  Bottom w0.25: D76.1 221.37,73.41 232.29,73.41 MX26.2
Net-(D76-A2): length 3.4
  Bottom w0.25: MX25.2 217.69,71.63 D76.2
Net-(D77-A2): length 8.2
  Bottom w0.25: MX27.2 260.58,71.63 D77.2
Net-(D78-A1): length 15.2
  Bottom w0.25: D78.1 35.59,54.38 46.53,54.38 MX30.2
Net-(D78-A2): length 10.6
  Bottom w0.25: MX29.2 31.9,52.58 D78.2
Net-(D79-A1): length 15.2
  Bottom w0.25: MX32.2 84.63,54.38 73.68,54.38 D79.1
Net-(D79-A2): length 3.4
  Bottom w0.25: MX31.2 69.98,52.58 D79.2
Net-(D80-A1): length 15.2
  Bottom w0.25: D80.1 111.8,54.38 122.73,54.38 MX34.2
Net-(D80-A2): length 3.4
  Bottom w0.25: D80.2 108.1,52.58 MX33.2
Net-(D81-A1): length 19.6
  Bottom w0.25: MX36.2 159.42,49.38 159.42,46.09 158.55,45.22 149.3,45.22 D81.1
Net-(D81-A2): length 7.6
  Bottom w0.25: MX35.2 146.47,49.69 D81.2
Net-(D82-A1): length 15.2
  Bottom w0.25: MX38.2 198.93,54.37 187.98,54.37 D82.1
Net-(D82-A2): length 3.4
  Bottom w0.25: MX37.2 184.29,52.58 D82.2
Net-(D83-A1): length 15.2
  Bottom w0.25: MX40.2 237.02,54.39 226.08,54.39 D83.1
Net-(D83-A2): length 3.4
  Bottom w0.25: MX39.2 222.38,52.58 D83.2
Net-(D84-A1): length 20.6
  Bottom w0.25: D84.1 281.97,66.61 276.95,71.63 MX28.2
Net-(D84-A2): length 10.5
  Bottom w0.25: MX41.2 279.5,52.58 D84.2
Net-(D85-A2): length 15.3
  Bottom w0.25: MX42.2 41.32,33.53 D85.2
Net-(D86-A1): length 15.2
  Bottom w0.25: D86.1 64.03,35.31 75.12,35.31 MX44.2
Net-(D86-A2): length 3.4
  Bottom w0.25: MX43.2 60.35,33.53 D86.2
Net-(D87-A1): length 15.2
  Bottom w0.25: 101.05,34.15 102.21,35.32 113.21,35.32 MX46.2
Net-(D87-A2): length 3.5
  Bottom w0.25: MX45.2 98.53,33.53 D87.2
